# Allegro board PCIe3_0_X16_V1_0-166-20240802_20240828_pcb.brd (continued)
## Routing (per net, layer and track width the routed paths; a pad name or vN(x,y) marks a point on that pad's centre or on a via; arc(x,y) is an arc through that point) (continued)
FPGA_QSFP_RX_3_P: length 66.9
  TOP w0.127: U1.B36 v1(90.32,80.23)
  TOP w0.356: J3.25 v4(49.28,86.68)
  ART12 w0.084: v4(49.28,86.68) 49.16,86.56 arc(49.04,86.48) 48.9,86.45 48.8,86.45 arc(48.58,86.54) 48.49,86.76 48.49,87.24 arc(48.53,87.34) 48.64,87.39 arc(48.75,87.43) 48.79,87.54 48.79,87.57 arc(48.75,87.68) 48.64,87.72 arc(48.53,87.77) 48.49,87.88 48.49,87.91 arc(48.53,88.02) 48.64,88.06 arc(48.75,88.1) 48.79,88.21 48.79,88.24 arc(48.75,88.35) 48.64,88.4 arc(48.53,88.44) 48.49,88.55 48.49,88.58 arc(48.53,88.69) 48.64,88.73 arc(48.75,88.78) 48.79,88.88 48.79,88.91 arc(48.75,89.02) 48.64,89.07 arc(48.53,89.11) 48.49,89.22 48.49,89.25 arc(48.53,89.36) 48.64,89.4 arc(48.75,89.45) 48.79,89.55 48.79,89.58 arc(48.75,89.69) 48.64,89.74 arc(48.53,89.78) 48.49,89.89 48.49,96.65 arc(48.55,96.97) 48.73,97.23 48.94,97.44 arc(49.26,97.65) 49.63,97.73 55.18,97.73 arc(55.36,97.71) 55.53,97.66 64.23,94.06 arc(64.83,93.87) 65.46,93.81 82.75,93.81 arc(83.09,93.75) 83.39,93.57 arc(83.4,93.55) 83.42,93.54 83.42,93.54 83.62,93.34 88.65,88.3 arc(89.19,87.5) 89.38,86.55 89.38,84.88 arc(89.4,84.63) 89.48,84.39 89.55,84.2 89.61,84.07 89.62,84.04 arc(89.62,84.03) 89.62,84.03 89.63,84 89.66,83.86 arc(89.66,83.84) 89.66,83.83 89.66,83.65 arc(89.67,83.6) 89.7,83.57 89.71,83.55 arc(89.73,83.52) 89.74,83.47 89.74,81.01 arc(89.85,80.75) 90.12,80.64 90.13,80.64 arc(90.26,80.58) 90.32,80.44 v1(90.32,80.23)
FPGA_QSFP_TX_0_N: length 70.8
  TOP w0.127: U1.F36 v1(94.32,79.23)
  TOP w0.356: v4(49.28,96.28) J3.37
  BOTTOM w0.102: v1(94.32,79.23) 94.32,78.99 arc(94.37,78.88) 94.48,78.83 94.49,78.83 arc(94.64,78.8) 94.77,78.71 94.8,78.68 arc(94.89,78.54) 94.92,78.38 94.92,77.2 arc(94.82,76.66) 94.51,76.21 94.31,76.01 arc(93.89,75.73) 93.4,75.63 88.98,75.63 88.94,75.58 88.54,75.58 arc(88.46,75.55) 88.42,75.46 arc(88.38,75.37) 88.3,75.34 88.14,75.34 arc(88.05,75.37) 88.01,75.46 arc(87.98,75.55) 87.89,75.58 87.06,75.58 arc(86.57,75.68) 86.16,75.96 85.47,76.64 arc(84.99,77.37) 84.82,78.22 84.82,91.71 arc(84.71,92.26) 84.4,92.73 84.03,93.09 arc(84.03,93.1) 84.02,93.1 83.63,93.43 arc(83.62,93.43) 83.62,93.44 arc(83.54,93.49) 83.47,93.55 83.36,93.61 arc(83.15,93.7) 82.92,93.74 63.09,93.74 arc(62.84,93.76) 62.6,93.83 53.5,97.6 arc(53.32,97.66) 53.12,97.68 49.37,97.68 arc(49.1,97.62) 48.87,97.47 48.85,97.45 arc(48.69,97.22) 48.64,96.95 48.64,96.22 arc(48.7,96.08) 48.83,96.03 48.86,96.03 arc(49.02,96.06) 49.15,96.14 v4(49.28,96.28)
FPGA_QSFP_TX_0_P: length 70.8
  TOP w0.127: U1.F35 v1(94.32,78.23)
  TOP w0.356: v4(49.28,95.48) J3.36
  BOTTOM w0.102: v4(49.28,95.48) 49.15,95.61 arc(49.02,95.7) 48.86,95.73 48.83,95.73 arc(48.49,95.87) 48.35,96.22 48.35,96.95 arc(48.42,97.34) 48.64,97.66 48.66,97.68 arc(48.98,97.9) 49.37,97.97 53.12,97.97 arc(53.37,97.95) 53.61,97.88 62.71,94.11 arc(62.9,94.05) 63.09,94.03 82.92,94.03 arc(83.23,93.99) 83.51,93.87 83.62,93.8 arc(83.72,93.73) 83.81,93.66 arc(83.84,93.64) 83.87,93.61 84.21,93.33 arc(84.23,93.31) 84.24,93.3 84.61,92.93 arc(84.98,92.37) 85.12,91.71 85.12,78.22 arc(85.26,77.48) 85.68,76.85 86.3,76.24 arc(86.71,75.97) 87.18,75.88 88.89,75.88 88.94,75.83 93.4,75.83 arc(93.81,75.91) 94.17,76.15 94.37,76.35 arc(94.63,76.74) 94.72,77.2 94.72,78.38 arc(94.7,78.46) 94.65,78.54 94.62,78.57 arc(94.56,78.61) 94.49,78.63 94.43,78.63 arc(94.35,78.59) 94.32,78.51 v1(94.32,78.23)
FPGA_QSFP_TX_1_N: length 70.4
  TOP w0.127: U1.D36 v1(92.32,80.23)
  TOP w0.356: v4(44.04,95.88) J3.2
  BOTTOM w0.102: v4(44.04,95.88) 44.19,95.73 arc(44.3,95.65) 44.44,95.63 44.45,95.63 arc(44.58,95.68) 44.63,95.8 44.63,97.95 arc(44.75,98.59) 45.12,99.13 46.52,100.54 arc(47.2,100.99) 48,101.15 54.22,101.15 arc(54.47,101.12) 54.71,101.05 63.96,97.22 arc(64.14,97.16) 64.33,97.14 84.6,97.14 arc(85.09,97.05) 85.5,96.77 88.22,94.05 arc(88.5,93.64) 88.6,93.15 88.6,80.05 arc(88.65,79.93) 88.77,79.88 89.04,79.88 89.08,79.83 92.13,79.83 arc(92.26,79.89) 92.32,80.02 v1(92.32,80.23)
FPGA_QSFP_TX_1_P: length 70.4
  TOP w0.127: U1.D35 v1(92.32,79.23)
  TOP w0.356: v4(44.04,95.08) J3.3
  BOTTOM w0.102: v1(92.32,79.23) 92.32,79.44 arc(92.27,79.57) 92.13,79.63 89.08,79.63 89.04,79.58 88.77,79.58 arc(88.44,79.72) 88.3,80.05 88.3,93.15 arc(88.23,93.52) 88.01,93.84 85.29,96.56 arc(84.97,96.78) 84.6,96.85 64.33,96.85 arc(64.08,96.87) 63.84,96.95 54.59,100.78 arc(54.41,100.83) 54.22,100.85 48,100.85 arc(47.31,100.72) 46.73,100.33 45.33,98.92 arc(45.03,98.48) 44.92,97.95 44.92,95.8 arc(44.79,95.47) 44.46,95.33 arc(44.3,95.3) 44.17,95.21 v4(44.04,95.08)
FPGA_QSFP_TX_2_N: length 70.4
  TOP w0.102: U1.C34 v1(92.32,77.23)
  TOP w0.356: v4(49.28,93.88) J3.34
  BOTTOM w0.102: v1(92.32,77.23) 92.11,77.23 arc(91.98,77.17) 91.92,77.04 91.92,77.02 arc(91.81,76.74) 91.53,76.62 88.88,76.62 88.84,76.58 88.29,76.58 arc(87.85,76.66) 87.46,76.9 87.46,76.9 arc(87.43,76.92) 87.41,76.95 86.39,77.97 arc(86.07,78.43) 85.96,78.99 85.96,92.32 arc(85.87,92.81) 85.59,93.23 84.45,94.36 arc(84.07,94.64) 83.62,94.78 arc(83.52,94.78) 83.43,94.79 63.4,94.79 arc(63.16,94.81) 62.92,94.88 53.78,98.67 arc(53.59,98.73) 53.4,98.74 49.15,98.74 arc(48.68,98.65) 48.28,98.38 48.06,98.16 arc(47.7,97.63) 47.57,97 47.57,95.23 arc(47.63,95.08) 47.78,95.02 47.85,95.02 arc(48.06,94.82) 47.85,94.62 47.78,94.62 arc(47.63,94.56) 47.57,94.41 47.57,94.05 arc(47.61,93.89) 47.7,93.75 47.7,93.75 arc(47.84,93.66) 48,93.63 48.86,93.63 arc(49.02,93.66) 49.15,93.74 v4(49.28,93.88)
FPGA_QSFP_TX_2_P: length 70.4
  TOP w0.127: U1.C33 v1(91.32,77.23)
  TOP w0.356: v4(49.28,93.08) J3.33
  BOTTOM w0.102: v4(49.28,93.08) 49.15,93.21 arc(49.02,93.3) 48.86,93.33 48,93.33 arc(47.72,93.39) 47.49,93.54 arc(47.33,93.78) 47.28,94.05 47.28,97 arc(47.43,97.74) 47.85,98.37 48.07,98.59 arc(48.57,98.92) 49.15,99.04 53.4,99.04 arc(53.65,99.01) 53.89,98.94 63.03,95.16 arc(63.21,95.1) 63.4,95.08 83.43,95.08 arc(83.54,95.08) 83.66,95.07 arc(84.2,94.9) 84.66,94.57 85.8,93.43 arc(86.14,92.93) 86.26,92.32 86.26,78.99 arc(86.35,78.55) 86.6,78.17 87.62,77.15 arc(87.64,77.14) 87.66,77.12 arc(87.95,76.94) 88.29,76.87 88.84,76.87 88.88,76.83 91.53,76.83 arc(91.66,76.88) 91.72,77.02 91.72,77.04 arc(91.66,77.17) 91.53,77.23 v1(91.32,77.23)
FPGA_QSFP_TX_3_N: length 69.3
  TOP w0.127: U1.A34 v1(89.32,78.23)
  TOP w0.356: v4(44.04,93.48) J3.5
  BOTTOM w0.102: v4(44.04,93.48) 44.17,93.34 arc(44.31,93.26) 44.46,93.23 45.09,93.23 arc(45.61,93.44) 45.83,93.97 45.83,97.32 arc(45.93,97.81) 46.2,98.22 47.7,99.72 arc(48.13,100.01) 48.63,100.11 53.87,100.11 arc(54.12,100.08) 54.36,100.01 63.58,96.19 arc(63.77,96.13) 63.96,96.11 84.12,96.11 arc(84.61,96.02) 85.02,95.74 87.16,93.61 arc(87.36,93.31) 87.43,92.95 87.43,79.52 arc(87.5,79.14) 87.71,78.83 88.54,78 arc(88.55,78) 88.55,77.99 arc(88.72,77.91) 88.9,77.88 89.15,77.88 arc(89.27,77.92) 89.32,78.04 v1(89.32,78.23)
FPGA_QSFP_TX_3_P: length 69.3
  TOP w0.127: U1.A33 v1(89.32,77.23)
  TOP w0.356: v4(44.04,92.68) J3.6
  BOTTOM w0.102: v4(44.04,92.68) 44.17,92.81 arc(44.31,92.9) 44.46,92.93 45.09,92.93 arc(45.82,93.24) 46.13,93.97 46.13,97.32 arc(46.2,97.7) 46.41,98.01 47.91,99.51 arc(48.24,99.73) 48.63,99.81 53.87,99.81 arc(54.06,99.79) 54.24,99.74 63.47,95.92 arc(63.71,95.84) 63.96,95.82 84.12,95.82 arc(84.49,95.74) 84.81,95.53 86.95,93.4 arc(87.08,93.19) 87.13,92.95 87.13,79.52 arc(87.23,79.03) 87.5,78.62 88.33,77.79 arc(88.35,77.77) 88.38,77.75 arc(88.63,77.63) 88.9,77.58 89.15,77.58 arc(89.27,77.53) 89.32,77.41 v1(89.32,77.23)
FPGA_REFCLK1_156P25M_N: length 122.2
  TOP w0.102: v1(93.58,95.71) 93.34,95.71 93.24,95.81 93.24,96.34 92.78,96.81 92.78,97.02 92.88,97.12 U20.12
  ART05 w0.084: v1(93.58,95.71) 93.25,96.04 93.25,96.44 92.41,97.28 67.65,97.28 65.42,96.84 63.75,96.15 63.75,96.15 63.72,96.13 63.04,95.68 61.11,93.75 61.11,59.24 61.32,58.2 63.55,50.86 65.62,45.85 66.86,44.62 68.03,43.44 83.11,43.44 83.62,43.23 91.72,39.87 92.31,39.48 92.71,39.08 92.71,37.69 92.63,37.61 92.34,37.61 v2(92.07,37.87)
  BOTTOM w0.102: C17.2 R46.1 R48.2 93.23,39.34 93.23,37.69 93.06,37.52 92.43,37.52 v2(92.07,37.87)
FPGA_REFCLK1_156P25M_P: length 122.2
  TOP w0.102: U20.11 92.38,97.18 92.49,97.07 92.49,96.68 92.95,96.22 92.95,95.81 92.85,95.71 v1(92.57,95.71)
  ART05 w0.084: v2(92.07,36.86) 92.48,37.26 92.77,37.26 93.06,37.55 93.06,39.23 92.53,39.75 91.89,40.18 83.62,43.61 83.18,43.79 68.17,43.79 65.92,46.05 63.87,50.98 61.66,58.29 61.46,59.28 61.46,93.61 63.26,95.41 63.88,95.83 65.52,96.51 67.68,96.94 92.27,96.94 92.9,96.3 92.9,96.04 v1(92.57,95.71)
  BOTTOM w0.102: v2(92.07,36.86) 92.44,37.22 93.18,37.22 93.53,37.57 93.53,39.34 R47.2 R45.1 C16.2
FPGA_REFCLK2_200M_N: length 55
  TOP w0.102: U23.12 104.31,96.89 104.21,96.79 104.21,95.64 104.41,95.44 104.62,95.44 v1(104.92,95.73)
  ART10 w0.084: v1(104.92,95.73) 105.19,95.46 105.76,95.46 106.78,94.44 106.78,83.87 108.15,82.5 108.15,58.84 107.86,58.56 107.6,58.56 107.52,58.64 100.52,58.64 100.32,58.44 v1(100.32,58.23)
  BOTTOM w0.102: C19.2 96.18,58.09 96.59,58.09 96.91,57.77 R57.2 97.24,57.73 97.59,58.08 98.38,58.08 98.91,58.62 99.26,58.62 R54.1 100.23,58.32 v1(100.32,58.23)
FPGA_REFCLK2_200M_P: length 55.1
  TOP w0.102: U23.11 103.81,96.89 103.92,96.79 103.92,95.52 104.29,95.14 104.62,95.14 v1(104.92,94.84)
  ART10 w0.084: v1(104.92,94.84) 105.19,95.12 105.61,95.12 106.44,94.29 106.44,83.73 107.8,82.36 107.8,62.82 107.72,62.74 107.63,62.74 107.54,62.66 107.54,62.49 107.63,62.4 107.72,62.4 107.8,62.32 107.8,62.15 107.72,62.07 107.63,62.07 107.54,61.99 107.54,61.82 107.63,61.73 107.72,61.73 107.8,61.65 107.8,58.99 107.72,58.9 107.6,58.9 107.52,58.82 100.4,58.82 100.32,58.91 v1(100.32,59.23)
  BOTTOM w0.102: v1(100.32,59.23) 100.3,59.21 R53.1 99.52,59.21 99.22,58.91 98.79,58.91 98.25,58.38 97.59,58.38 97.24,58.73 R56.2 96.91,58.67 96.62,58.38 96.16,58.38 C20.2
FPGA_SFP0_IIC_SCL: length 39.7
  TOP w0.127: P1.A4 29.24,71.24 v2(29.24,71.24) ; U15.20 54.32,59.67 v1(54.3,59.65)
  ART10 w0.086: v2(29.24,71.24) 31.04,69.43 34.77,69.43 36.2,68.01 38.89,68.01 41.78,65.11 51.65,65.11 52.76,66.22 54.79,66.22 55.75,65.25 55.75,61.1 v1(54.3,59.65)
  BOTTOM w0.127: R165.2 v2(29.24,71.24)
FPGA_SFP0_IIC_SCL_1V8: length 100.2
  TOP w0.127: v2(58.67,60.32) 59.32,59.67 U15.1 ; U1.H7 v1(96.32,50.23)
  ART03 w0.086: v2(58.67,60.32) 58.67,57.1 60.73,55.04 60.73,40.03 61.39,39.37 61.39,29.79 70.39,20.8 90.5,20.8 96.73,27.03 96.73,49.82 v1(96.32,50.23)
FPGA_SFP0_IIC_SDA: length 40.7
  TOP w0.127: P1.A5 v2(32.24,70.44) ; v1(53.29,59.65) 53.29,59.89 54.36,60.97 U15.18
  ART10 w0.086: v2(32.24,70.44) 32.79,69.89 35.01,69.89 36.23,68.67 39.29,68.67 41.71,66.26 51.86,66.26 52.25,66.65 55.12,66.65 56.16,65.61 56.16,59.77 55.52,59.13 53.81,59.13 v1(53.29,59.65)
  BOTTOM w0.127: R166.2 v2(32.24,70.44)
FPGA_SFP0_IIC_SDA_1V8: length 105.6
  TOP w0.127: v2(58.67,61.62) 59.32,60.97 U15.3 ; U1.D10 v1(92.32,53.23)
  ART03 w0.086: v1(92.32,53.23) 92.88,53.23 93.57,52.54 93.57,51.97 93.92,51.62 94.5,51.62 94.73,51.39 94.73,51.18 95.11,50.8 95.51,50.8 95.91,50.4 95.91,43.71 96.25,43.38 96.25,27.21 90.29,21.25 70.49,21.25 61.79,29.95 61.79,54.92 59.28,57.43 59.28,61.01 v2(58.67,61.62)
FPGA_SFP0_LOS: length 30.5
  TOP w0.127: v2(53.03,64.09) 53.62,63.5 54.52,63.5 54.59,63.57 U15.14 ; P1.A8 29.24,68.04 v2(29.24,68.04)
  ART10 w0.086: v2(29.24,68.04) 29.49,67.78 35.05,67.78 36.86,65.98 39.51,65.98 41.15,64.34 52.79,64.34 v2(53.03,64.09)
  BOTTOM w0.127: R169.2 v2(29.24,68.04)
FPGA_SFP0_LOS_1V8: length 103.5
  TOP w0.127: U1.C11 v1(91.32,54.23) ; v2(58.67,64.22) 59.32,63.57 U15.7
  ART03 w0.086: v2(58.67,64.22) 59.29,63.6 60.63,63.6 62.03,62.2 62.03,57.43 63.19,56.27 63.19,30.53 70.88,22.83 87.43,22.83 88.46,23.86 89.73,23.86 93.62,27.76 93.62,43.45 93.91,43.74 93.91,51.26 93.19,51.98 93.19,52.22 92.9,52.52 92.58,52.84 92.16,52.84 91.93,53.07 91.93,53.6 91.32,54.21 v1(91.32,54.23)
FPGA_SFP0_MOD_DETECT: length 31.8
  TOP w0.127: P1.A6 29.24,69.64 v2(29.24,69.64) ; U15.15 v2(54.3,62.92)
  ART10 w0.086: v2(29.24,69.64) 30.7,68.17 35.21,68.17 35.93,67.45 38.59,67.45 41.32,64.72 53.23,64.72 53.59,64.35 53.59,63.63 v2(54.3,62.92)
  BOTTOM w0.127: R167.2 v2(29.24,69.64)
FPGA_SFP0_MOD_DETECT_1V8: length 96.1
  TOP w0.127: U1.F7 v1(94.32,50.23) ; U15.6 v2(59.94,62.92)
  ART03 w0.086: v1(94.32,50.23) 94.73,49.82 94.73,43.76 93.93,42.97 93.93,26.8 89.59,22.45 70.8,22.45 62.86,30.39 62.86,55.91 61.54,57.23 61.54,61.72 60.35,62.92 v2(59.94,62.92)
FPGA_SFP0_RS0: length 3
  TOP w0.127: v2(32.24,68.84) P1.A7
  BOTTOM w0.127: R168.2 v2(32.24,68.84) R161.2
FPGA_SFP0_RS1: length 3
  TOP w0.127: v2(32.24,67.24) P1.A9
  BOTTOM w0.127: R163.2 v2(32.24,67.24) R162.2
FPGA_SFP0_TX_DISABLE: length 39.7
  TOP w0.127: v2(32.24,72.04) P1.A3 ; v2(53.03,62.92) 53.68,62.27 U15.16
  ART10 w0.086: v2(53.03,62.92) 52.74,62.92 51.69,63.97 40.09,63.97 39.2,64.86 36.17,64.86 35.28,63.97 32.54,63.97 28.59,67.92 28.59,71.33 29.29,72.04 v2(32.24,72.04)
  BOTTOM w0.127: R160.2 v2(32.24,72.04)
FPGA_SFP0_TX_DISABLE_1V8: length 100.9
  TOP w0.127: U1.F8 v1(94.32,51.23) ; U15.5 59.32,62.27 v2(58.67,62.92)
  ART03 w0.086: v2(58.67,62.92) 59.23,62.36 60.12,62.36 61.06,61.42 61.06,57.07 62.53,55.61 62.53,30.26 70.74,22.05 89.79,22.05 95.33,27.58 95.33,43.56 94.91,43.97 94.91,50.63 v1(94.32,51.23)
FPGA_SFP0_TX_FAULT: length 38.3
  TOP w0.127: P1.A2 29.24,72.84 v2(29.24,72.84) ; U15.17 v2(54.3,61.62)
  ART10 w0.086: v2(54.3,61.62) 53.15,61.62 51.28,63.49 40.03,63.49 39.04,64.48 36.25,64.48 35.36,63.59 32.38,63.59 28.3,67.67 28.3,71.9 v2(29.24,72.84)
  BOTTOM w0.127: R159.2 v2(29.24,72.84)
FPGA_SFP0_TX_FAULT_1V8: length 96.9
  TOP w0.127: U15.4 v2(59.94,61.62) ; U1.G7 v1(95.32,50.23)
  ART03 w0.086: v2(59.94,61.62) 60.53,61.03 60.53,56.95 62.16,55.32 62.16,30.1 70.65,21.62 89.92,21.62 95.73,27.43 95.73,49.82 v1(95.32,50.23)
FPGA_SFP1_IIC_SCL: length 34.1
  TOP w0.127: v2(54.3,64.09) 54.43,64.22 U15.13 ; P1.B4 29.24,56.99 v2(29.24,56.99)
  ART10 w0.086: v2(29.24,56.99) 30.77,58.52 32.14,58.52 32.69,59.07 48.53,59.07 50.52,61.05 54.57,61.05 54.91,61.39 54.91,63.48 v2(54.3,64.09)
  BOTTOM w0.127: R172.2 v2(29.24,56.99)
FPGA_SFP1_IIC_SCL_1V8: length 90.5
  TOP w0.127: U1.E8 v1(93.32,51.23) ; U15.8 v2(59.94,64.22)
  ART03 w0.086: v1(93.32,51.23) 93.73,50.82 93.73,43.84 93.17,43.28 93.17,40.89 91.39,39.12 91.39,38 85.5,32.11 85.5,30.38 80.47,25.35 75.72,25.35 74.12,23.75 70.52,23.75 63.58,30.69 63.58,63.12 62.48,64.22 v2(59.94,64.22)
FPGA_SFP1_IIC_SDA: length 36.2
  TOP w0.127: v2(53.03,65.65) 53.81,64.87 U15.12 ; P1.B5 v2(32.24,56.19)
  ART10 w0.086: v2(32.24,56.19) 32.24,56.29 34.49,58.54 48.95,58.54 51.01,60.6 54.69,60.6 55.35,61.26 55.35,64.11 54.66,64.8 53.88,64.8 v2(53.03,65.65)
  BOTTOM w0.127: R164.2 v2(32.24,56.19)
FPGA_SFP1_IIC_SDA_1V8: length 98
  TOP w0.127: U1.B12 v1(90.32,55.23) ; U15.9 59.32,64.87 v2(58.67,65.52)
  ART03 w0.086: v1(90.32,55.23) 90.84,54.71 90.84,54.03 91.12,53.75 91.37,53.75 91.74,53.38 91.74,52.99 92.08,52.65 92.49,52.65 92.71,52.44 92.71,51.79 92.91,51.59 92.91,41.27 90.93,39.28 90.93,38.4 83.46,30.94 83.46,29.82 79.55,25.91 75.4,25.91 73.63,24.14 70.7,24.14 64.62,30.23 64.62,63.35 63.07,64.9 59.29,64.9 v2(58.67,65.52)
FPGA_SFP1_LOS: length 35.6
  TOP w0.127: v2(53.03,50.73) 53.68,50.08 U16.16 ; P1.B8 29.24,53.79 v2(29.24,53.79)
  ART10 w0.086: v2(53.03,50.73) 53.3,50.73 53.98,51.4 54.61,51.4 54.99,51.78 54.99,53.43 54.53,53.89 54.05,53.89 53.36,53.19 35.54,53.19 35.05,53.68 29.34,53.68 v2(29.24,53.79)
  BOTTOM w0.127: R178.2 v2(29.24,53.79)
FPGA_SFP1_LOS_1V8: length 119.2
  TOP w0.127: v2(58.67,50.73) 59.32,50.08 U16.5 ; U1.L10 v1(99.32,53.23)
  ART03 w0.086: v1(99.32,53.23) 99.72,52.83 102.4,52.83 102.91,52.32 102.91,43.97 103.21,43.67 103.21,24.88 93.5,15.16 66.78,15.16 59.92,22.02 58.83,22.02 57.84,23.01 57.84,25.03 55.24,27.62 55.24,47.14 55.74,47.64 55.74,49.9 56.57,50.72 58.67,50.72 v2(58.67,50.73)
FPGA_SFP1_MOD_DETECT: length 35.7
  TOP w0.127: P1.B6 29.24,55.39 v2(29.24,55.39) ; U16.17 v2(54.3,49.43)
  ART10 w0.086: v2(54.3,49.43) 54.41,49.43 55.37,50.38 55.37,53.68 54.84,54.22 53.75,54.22 53.04,53.51 35.68,53.51 35.18,54 30.62,54 v2(29.24,55.39)
  BOTTOM w0.127: R173.2 v2(29.24,55.39)
FPGA_SFP1_MOD_DETECT_1V8: length 106.5
  TOP w0.127: U16.4 v2(59.94,49.43) ; U1.M9 v1(100.32,52.23)
  ART03 w0.086: v2(59.94,49.43) 59.36,48.84 58.45,48.84 58.09,48.49 58.09,47.75 57.43,47.09 57.43,43.13 56.41,42.11 56.41,28.7 68.53,16.59 92.87,16.59 101.73,25.44 101.73,51.42 101.43,51.71 101.2,51.71 100.77,52.15 100.4,52.15 v1(100.32,52.23)
FPGA_SFP1_RS0: length 3
  TOP w0.127: P1.B7 v2(32.24,54.59)
  BOTTOM w0.127: R175.2 v2(32.24,54.59) R174.2
FPGA_SFP1_RS1: length 3
  TOP w0.127: P1.B9 v2(32.24,52.99)
  BOTTOM w0.127: R177.2 v2(32.24,52.99) R176.2
FPGA_SFP1_TX_DISABLE: length 44.3
  TOP w0.127: v2(53.03,49.43) 53.68,48.78 U16.18 ; P1.B3 32.24,57.79 v2(32.24,57.79)
  ART10 w0.086: v2(53.03,49.43) 53.03,48.16 53.73,47.46 54.48,47.46 56.39,49.37 56.39,53.81 54.36,55.84 51.82,55.84 50.93,54.95 38.96,54.95 38.32,54.32 36.48,54.32 35.21,55.59 31.88,55.59 31.62,55.84 31.62,57.17 v2(32.24,57.79)
  BOTTOM w0.127: R171.2 v2(32.24,57.79)
FPGA_SFP1_TX_DISABLE_1V8: length 108.2
  TOP w0.127: v2(58.67,49.43) 59.32,48.78 U16.3 ; U1.N9 v1(101.32,52.23)
  ART03 w0.086: v2(58.67,49.43) 58.37,49.43 57.51,48.56 57.51,47.73 56.06,46.28 56.06,28.42 68.39,16.09 93.05,16.09 102.22,25.26 102.22,43.59 101.91,43.89 101.91,51.63 v1(101.32,52.23)
FPGA_SFP1_TX_FAULT: length 41.2
  TOP w0.127: U16.20 54.77,47.48 54.3,47.95 v2(54.3,48.13) ; P1.B2 29.24,58.59 v2(29.24,58.59)
  ART10 w0.086: v2(54.3,48.13) 55.88,49.7 55.88,53.81 55.12,54.57 39.12,54.57 38.48,53.94 36.32,53.94 35.05,55.21 30.23,55.21 28.7,56.73 28.7,58.05 v2(29.24,58.59)
  BOTTOM w0.127: R170.2 v2(29.24,58.59)
FPGA_SFP1_TX_FAULT_1V8: length 104.5
  TOP w0.127: v2(58.67,48.13) 59.32,47.48 U16.1 ; U1.L9 v1(99.32,52.23)
  ART03 w0.086: v2(58.67,48.13) 58.67,47.72 58.02,47.07 58.02,43.11 56.72,41.81 56.72,28.95 68.72,16.96 92.54,16.96 101.23,25.65 101.23,43.6 100.91,43.92 100.91,51.55 100.65,51.82 100.04,51.82 99.62,52.23 v1(99.32,52.23)
FPGA_SFP2_IIC_SCL: length 33.6
  TOP w0.127: P1.C4 29.24,42.74 v2(29.24,42.74) ; U16.15 v2(54.3,50.73)
  ART10 w0.086: v2(54.3,50.73) 53.72,50.14 51.92,50.14 50.97,49.19 42.24,49.19 39.24,46.19 39.24,45.76 37.39,43.91 36.45,43.91 35.01,42.46 34.24,42.46 32.74,40.96 31.01,40.96 v2(29.24,42.74)
  BOTTOM w0.127: R181.2 v2(29.24,42.74)
FPGA_SFP2_IIC_SCL_1V8: length 117.2
  TOP w0.127: U16.6 v2(59.94,50.73) ; U1.K10 v1(98.32,53.23)
  ART03 w0.086: v1(98.32,53.23) 98.63,53.23 99.21,52.64 101.57,52.64 101.86,52.35 101.86,52.12 102.25,51.74 102.5,51.74 102.61,51.63 102.64,51.63 102.73,51.54 102.73,25.08 93.24,15.59 66.91,15.59 59.94,22.56 58.9,22.56 58.27,23.19 58.27,25.29 55.65,27.9 55.65,46.58 56.21,47.14 56.21,49.66 56.64,50.09 59.3,50.09 v2(59.94,50.73)
FPGA_SFP2_IIC_SDA: length 32.5
  TOP w0.127: U16.14 53.68,51.38 v2(53.03,52.03) ; P1.C5 v2(32.24,41.94)
  ART10 w0.086: v2(32.24,41.94) 33.27,42.97 33.27,47.08 36.41,50.21 50.63,50.21 52.44,52.03 v2(53.03,52.03)
  BOTTOM w0.127: R182.2 v2(32.24,41.94)
FPGA_SFP2_IIC_SDA_1V8: length 122.3
  TOP w0.127: U16.7 59.32,51.38 v2(58.67,52.03) ; U1.M10 v1(100.32,53.23)
  ART03 w0.086: v1(100.32,53.23) 100.73,53.63 102.46,53.63 102.73,53.37 102.73,52.93 103.03,52.63 103.54,52.63 103.71,52.46 103.71,24.67 93.75,14.71 66.67,14.71 59.76,21.63 58.49,21.63 57.4,22.71 57.4,24.76 54.89,27.27 54.89,49.96 56.95,52.03 v2(58.67,52.03)
FPGA_SFP2_LOS: length 39.8
  TOP w0.127: v2(29.24,39.54) 29.24,39.54 P1.C8 ; U17.18 53.68,34.53 v2(53.03,35.18)
  ART10 w0.086: v2(29.24,39.54) 29.44,39.33 37.72,39.33 38.68,40.3 54.71,40.3 56.03,38.98 56.03,36.06 54.48,34.51 53.7,34.51 v2(53.03,35.18)
  BOTTOM w0.127: R188.2 v2(29.24,39.54)
FPGA_SFP2_LOS_1V8: length 90.5
  TOP w0.127: U1.E11 v1(93.32,54.23) ; v2(58.67,35.18) 59.32,34.53 U17.3
  ART03 w0.086: v2(58.67,35.18) 58.14,34.65 58.14,33.43 58.57,32.99 58.57,29.56 69.41,18.72 91.69,18.72 99.24,26.26 99.24,43.65 98.91,43.97 98.91,50.63 98.72,50.83 98.16,50.83 97.93,51.05 97.93,51.56 97.67,51.82 97.14,51.82 96.89,52.07 96.89,53.43 96.09,54.23 v1(93.32,54.23)
FPGA_SFP2_MOD_DETECT: length 43.3
  TOP w0.127: P1.C6 29.24,41.14 v2(29.24,41.14) ; v2(53.03,33.91) 53.71,33.23 U17.20
  ART10 w0.086: v2(29.24,41.14) 30.66,39.71 37.56,39.71 38.55,40.71 50.93,40.71 51.82,41.59 54.23,41.59 56.43,39.39 56.43,34.92 54.84,33.32 53.61,33.32 v2(53.03,33.91)
  BOTTOM w0.127: R183.2 v2(29.24,41.14)
FPGA_SFP2_MOD_DETECT_1V8: length 82.6
  TOP w0.127: U17.1 59.32,33.23 v2(58.67,33.88) ; U1.H9 v1(96.32,52.23)
  ART03 w0.086: v2(58.67,33.88) 59,33.54 59,29.69 69.6,19.1 91.49,19.1 98.73,26.34 98.73,50.55 98.64,50.64 98.08,50.64 97.74,50.98 97.74,51.48 97.6,51.63 97.06,51.63 96.46,52.23 v1(96.32,52.23)
FPGA_SFP2_RS0: length 3
  TOP w0.127: P1.C7 v2(32.24,40.34)
  BOTTOM w0.127: R185.2 v2(32.24,40.34) R184.2
FPGA_SFP2_RS1: length 3
  TOP w0.127: v2(32.24,38.74) 32.24,38.74 P1.C9
  BOTTOM w0.127: R186.2 v2(32.24,38.74) R187.2
FPGA_SFP2_TX_DISABLE: length 31.8
  TOP w0.127: U16.12 54.86,52.68 54.3,53.23 v2(54.3,53.33) ; P1.C3 v2(32.24,43.54)
  ART10 w0.086: v2(32.24,43.54) 32.91,44.21 32.91,47.23 36.26,50.57 50.48,50.57 52.58,52.67 53.65,52.67 v2(54.3,53.33)
  BOTTOM w0.127: R180.2 v2(32.24,43.54)
FPGA_SFP2_TX_DISABLE_1V8: length 132.6
  TOP w0.127: U1.N11 v1(101.32,54.23) ; U16.9 59.32,52.68 v2(58.67,53.33)
  ART03 w0.086: v1(101.32,54.23) 101.42,54.13 102.58,54.13 103.07,53.63 104.47,53.63 104.74,53.36 104.74,24.25 94.32,13.83 66.38,13.83 61.34,18.88 59,18.88 58.24,19.64 58.24,20.57 56.39,22.43 56.39,24.4 53.18,27.61 53.18,32.55 52.25,33.48 52.25,39.32 51.77,39.8 51.77,51.69 54.1,54.03 57.97,54.03 v2(58.67,53.33)
FPGA_SFP2_TX_FAULT: length 34.8
  TOP w0.127: P1.C2 29.24,44.34 v2(29.24,44.34) ; U16.13 v2(54.3,52.03)
  ART10 w0.086: v2(29.24,44.34) 29.51,44.06 29.51,43.73 31.87,41.38 32.48,41.38 34.11,43.01 34.79,43.01 36.4,44.62 37.33,44.62 38.63,45.92 38.63,46.47 42.02,49.85 50.78,49.85 52.32,51.4 53.21,51.4 53.84,52.03 v2(54.3,52.03)
  BOTTOM w0.127: R179.2 v2(29.24,44.34)
FPGA_SFP2_TX_FAULT_1V8: length 127
  TOP w0.127: U16.8 v2(59.94,52.03) ; U1.M11 v1(100.32,54.23)
  ART03 w0.086: v1(100.32,54.23) 100.73,53.82 102.56,53.82 102.93,53.45 102.93,53.04 103.14,52.82 103.65,52.82 103.9,52.58 103.9,44.02 104.25,43.67 104.25,24.45 94.05,14.24 66.51,14.24 59.64,21.11 58.22,21.11 56.77,22.56 56.77,24.66 53.57,27.86 53.57,50.9 54.05,51.38 55.4,51.38 56.69,52.68 59.29,52.68 v2(59.94,52.03)
FPGA_SFP3_IIC_SCL: length 41.3
  TOP w0.127: U17.17 v2(54.3,35.18) ; P1.D4 v2(29.24,28.49)
  ART10 w0.086: v2(54.3,35.18) 54.64,35.51 54.65,35.51 55.62,36.49 55.62,36.49 55.63,36.5 55.63,38.67 54.5,39.8 52.48,39.8 51.94,39.26 39.99,39.26 35.71,34.99 32.99,34.99 28.57,30.57 28.57,29.15 v2(29.24,28.49)
  BOTTOM w0.127: R191.2 v2(29.24,28.49)
FPGA_SFP3_IIC_SCL_1V8: length 86.1
  TOP w0.127: U1.D11 v1(92.32,54.23) ; U17.4 v2(59.94,35.18)
  ART03 w0.086: v2(59.94,35.18) 59.66,35.18 59.41,34.92 59.41,29.84 69.72,19.53 91.16,19.53 98.17,26.54 98.17,43.71 97.91,43.97 97.91,50.48 97.57,50.83 97.11,50.83 96.86,51.08 96.86,51.51 96.68,51.69 96.07,51.69 95.91,51.85 95.91,53.54 95.71,53.75 93.17,53.75 92.68,54.23 v1(92.32,54.23)
FPGA_SFP3_IIC_SDA: length 29.5
  TOP w0.127: P1.D5 v2(32.24,27.69) ; U17.16 53.68,35.83 v2(53.03,36.48)
  ART10 w0.086: v2(32.24,27.69) 32.84,28.28 34.8,28.28 36.79,30.28 37.22,30.28 43.42,36.48 v2(53.03,36.48)
  BOTTOM w0.127: R192.2 v2(32.24,27.69)
FPGA_SFP3_IIC_SDA_1V8: length 91.6
  TOP w0.127: U17.5 59.32,35.83 v2(58.67,36.48) ; U1.J10 v1(97.32,53.23)
  ART03 w0.086: v1(97.32,53.23) 97.93,52.62 98.52,52.62 98.73,52.41 98.73,51.91 99,51.63 99.51,51.63 99.91,51.23 99.91,43.97 100.19,43.7 100.19,26.08 91.93,17.82 69.12,17.82 57.61,29.34 57.61,32.41 57.38,32.64 57.38,36.07 57.79,36.48 v2(58.67,36.48)
FPGA_SFP3_LOS: length 41.2
  TOP w0.127: v2(29.24,25.29) 29.24,25.29 P1.D8 ; v1(53.03,39.1) 53.03,39.04 53.65,38.43 U17.12
  ART10 w0.086: v1(53.03,39.1) 53.03,39.08 53.5,38.61 54.77,38.61 55.23,38.15 55.23,36.65 54.48,35.9 43.27,35.9 37.18,29.81 36.83,29.81 35.94,28.92 35.94,26.75 34.48,25.29 v2(29.24,25.29)
  BOTTOM w0.127: R198.2 v2(29.24,25.29)
FPGA_SFP3_LOS_1V8: length 89.6
  TOP w0.127: U17.9 59.32,38.43 v2(58.67,39.08) ; U1.C12 v1(91.32,55.23)
  ART03 w0.086: v1(91.32,55.23) 91.32,55.22 91.73,54.81 91.73,54.2 92.19,53.75 92.68,53.75 93.91,52.52 93.91,52.04 94.14,51.82 95.39,51.82 95.77,51.44 95.77,51.08 96.12,50.72 96.53,50.72 96.91,50.34 96.91,43.97 97.17,43.72 97.17,26.88 90.67,20.39 69.99,20.39 60.91,29.46 60.91,38.15 60.53,38.53 59.22,38.53 v2(58.67,39.08)
FPGA_SFP3_MOD_DETECT: length 33.1
  TOP w0.127: v2(29.24,26.89) 29.24,26.89 P1.D6 ; U17.13 v2(54.3,37.78)
  ART10 w0.086: v2(54.3,37.78) 54.3,37.76 53.59,37.05 43.56,37.05 38.46,31.95 37.23,31.95 35.34,30.06 33.91,30.06 32.38,28.54 30.89,28.54 v2(29.24,26.89)
  BOTTOM w0.127: R193.2 v2(29.24,26.89)
FPGA_SFP3_MOD_DETECT_1V8: length 80
  TOP w0.127: U1.H8 v1(96.32,51.23) ; U17.8 v2(59.94,37.78)
  ART03 w0.086: v1(96.32,51.23) 96.91,50.64 97.49,50.64 97.73,50.41 97.73,26.76 90.91,19.94 69.9,19.94 60.55,29.29 60.55,37.03 59.94,37.65 v2(59.94,37.78)